# Altium PCB foot.PcbDoc (continued)
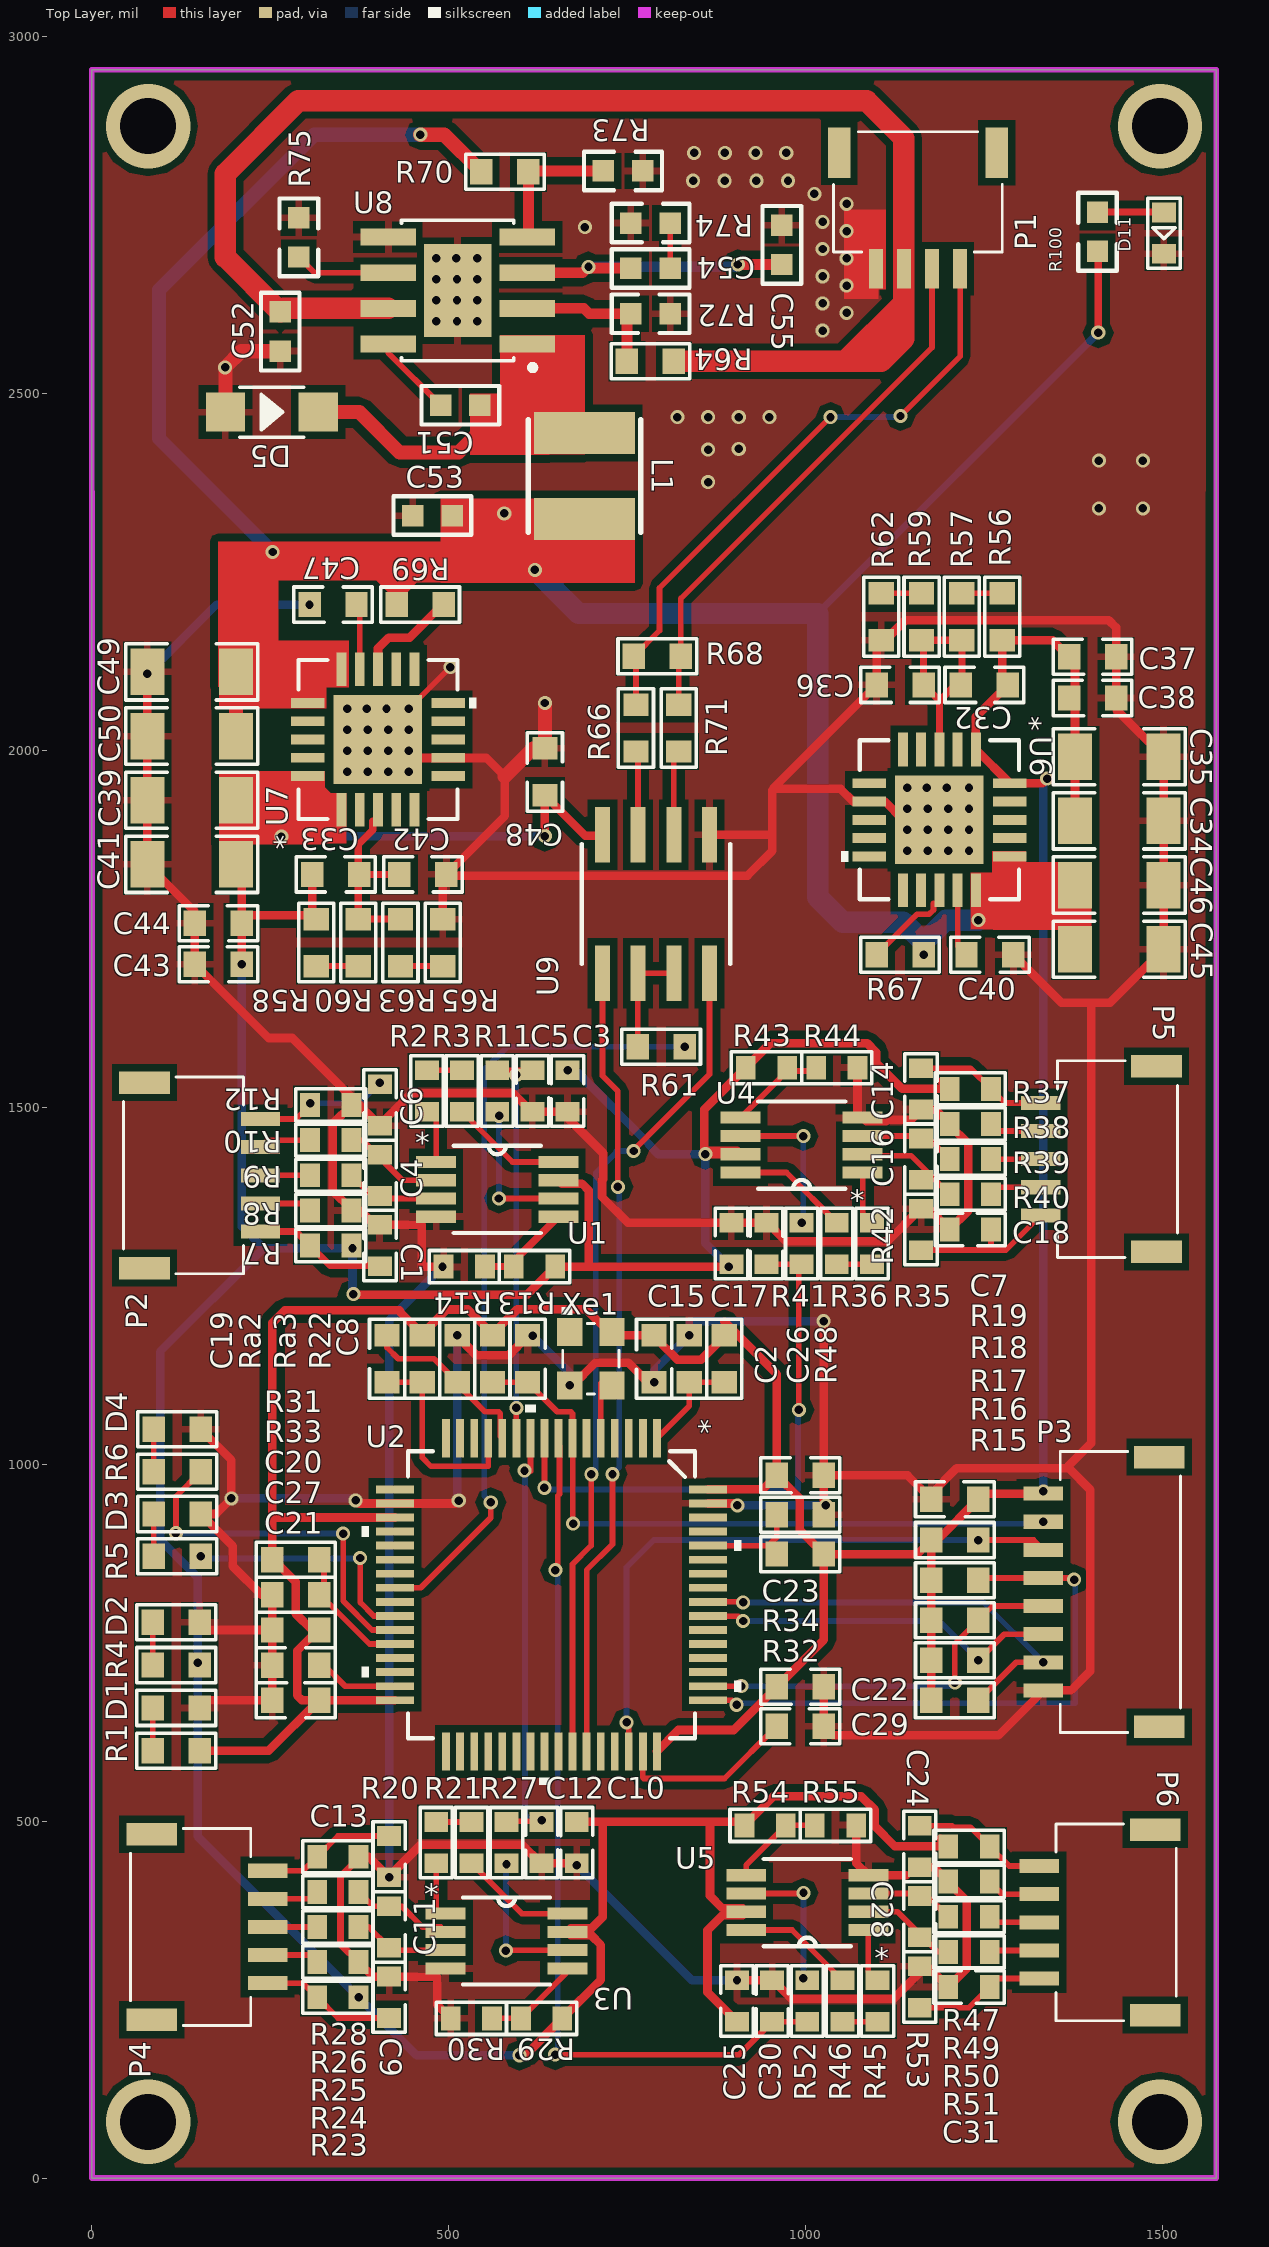
[diagram p0: Top Layer view]
## Footprints (in the part's own frame and the unit in brackets; to place one, negate y for a bottom-side part, rotate by r counter-clockwise, add the part's x,y. Pads: shape width x height; smd on the part's side, far side on the other; paste and mask are expansions set on the pad) (continued)
  silkscreen extent -3.5,-2.15 3.5,2.12, body extent -3.5,-3.09 3.5,2.13, height 3.02
SH_1.0MM_8P [mm]
  rect 0.8x1.8 smd: 0(-4.8,1.375) 0(4.8,1.375)
  rect 0.5x1.4 smd: 1(-3.5,-2.75) 2(-2.5,-2.75) 3(-1.5,-2.75) 4(-0.5,-2.75) 5(0.5,-2.75) 6(1.5,-2.75) 7(2.5,-2.75) 8(3.5,-2.75)
  silkscreen extent -5,-2.15 5,2.12, body extent -5,-3.1 5,2.12, height 3.02
SOIC127P600X170-9N [mm]
  rect 1.97x0.6 smd: 1(-2.475,1.905) 2(-2.475,0.635) 3(-2.475,-0.635) 4(-2.475,-1.905) 5(2.475,-1.905) 6(2.475,-0.635) 7(2.475,0.635) 8(2.475,1.905)
  rect 2.41x3.3 smd: 9(0,0)
  silkscreen extent -2.77,-2.5 2,2.84, body extent -3.1,-2.5 3.1,2.5, height 1.75
VQFN-20 [mm]
  rect 1.2x0.35 smd: 1(-2.5,1.3) 2(-2.5,0.65) 3(-2.5,0) 4(-2.5,-0.65) 5(-2.5,-1.3) 11(2.5,-1.3) 12(2.5,-0.65) 13(2.5,0) 14(2.5,0.65) 15(2.5,1.3)
  rect 0.35x1.2 smd: 6(-1.3,-2.5) 7(-0.65,-2.5) 8(0,-2.5) 9(0.65,-2.5) 10(1.3,-2.5) 16(1.3,2.5) 17(0.65,2.5) 18(0,2.5) 19(-0.65,2.5) 20(-1.3,2.5)
  rect 3.15x3.15 smd: 21(0,0)
  silkscreen extent -2.83,-3.5 2.83,2.83, body extent -2.52,-2.52 2.52,2.52, height 0.94
VSSOP-8 [mil]
  rect 56x17 smd: 1(-85.5,38.39) 2(-85.5,12.8) 3(-85.5,-12.8) 4(-85.5,-38.39) 5(85.5,-38.39) 6(85.5,-12.8) 7(85.5,12.8) 8(85.5,38.39)
  silkscreen extent -61,-61 61,61

## Part data
C1 C2 C3 C4 C5 C6 C7 C8 C9 C10 C11 C12 C13 C14 C15 C16 C17 C18 C19 C20 C21 C22 C23 C24 C25 C26 C27 C28 C29 C30 C31 C32 C33 C36 C37 C38 C40 C42 C43 C44 C47 C51 C52 C53 C54 C55: library part Cap0603
C34 C35 C39 C41 C45 C46 C49 C50: library part Cap1206
C48: "Capacitor"
D5: "MMSZ4702T1 Series 500 mW 10 mA 15 V SMT Zener Voltage Regulator - SOD-123"
L1: "Inductor Power Semi-Shielded Wirewound 15uH 20% 100KHz Ferrite 1A 264mOhm DCR 1515 T/R"
R1 R2 R3 R4 R5 R6 R7 R8 R9 R10 R11 R12 R13 R14 R15 R16 R17 R18 R19 R20 R21 R22 R23 R24 R25 R26 R27 R28 R29 R30 R31 R32 R33 R34 R35 R36 R37 R38 R39 R40 R41 R42 R43 R44 R45 R46 R47 R48 R49 R50 R51 R52 R53 R54 R55 R56 R57 R58 R59 R60 R62 R63 R64 R65 R67 R69 R70 R72 R73 R74 R75 R100 Ra2 Ra3: library part Res0603
R61 R66 R68 R71: "Resistor"
U1 U3 U4 U5: "Imported"
U2: library part STM32F407RGT
U6 U7: "TPS7A4701"
U8: "PARTCOUNT=2"
U9: "MAX3443E Series 7V 2.5 to 10 Mbps Half-Duplex SMT RS-485 Transceiver - SOIC-8"
Xe1: "有源晶振3225_8M"

## Via types
v1: diameter 19.68, hole 11.81, Top Layer to Bottom Layer, 159 vias
v2: diameter 118.11, hole 78.74, Top Layer to Bottom Layer, 4 vias

## Nets (pads, with @x,y where several pads share a name; then routed paths per layer and width w, separated by ;. In a path a pad name is that pad's centre, name@x,y a point inside that pad or via, vN(x,y) a via of type N, cw(c..) or ccw(c..) an arc to the next point about the centre after c; other vN are vias at no path point)
485: R61.2 U2.24 | length 1100
  Top Layer w8: U2.24 460.63,826.77 558.66,924.8 v1(558.66,946.46)
  Bottom Layer w8: v1(558.66,946.46) 549.61,955.51 549.61,1552.36 581.89,1584.65 v1(830.15,1584.65)
485A: P1.3 R68.1 R71.2 | length 757.2
  Top Layer w8: R71.2 822,2128.59 R68.1 824.91,2212.5 1176.5,2564.09 1176.5,2674.05 P1.3
485B: P1.4 R66.2 R68.2 | length 857.3
  Top Layer w8: R66.2 762,2128.6 R68.2 795,2167.41 795,2227 v1(1034.5,2466.5) ; v1(1132.5,2468) 1216.05,2551.56 P1.4
  Bottom Layer w8: v1(1034.5,2466.5) 1131,2466.5 v1(1132.5,2468)
+3.3V: C2.1 C7.1 C20.1 C21.1 C22.1 C23.1 C32.2 C34.1 C35.1 C37.1 C38.1 P3.1 R1.1 R15.2 R16.2 R17.2 R18.2 R19.2 R22.1 R31.2 R32.1 R48.2 R56.2 Ra2.1 U2.19 U2.32 U2.48 U2.64 U6.1 U6.20 Xe1.4 | length 4913.2
  Top Layer w12: R1.1 247.49,598.44 C21.1 ; 259.61,925.2 U2.19 ; U2.32 C21.1 ; 431.01,1213.78 462.6,1182.19 496.94,1216.54 526.68,1216.54 561.02,1182.19 595.86,1217.02 692.1,1217.02 724.09,1185.04 Xe1.4 732.84,1180.54 C2.1 787.4,1178.9 819.84,1146.46 853.39,1146.46 885.83,1178.9 R48.2 ; 431.01,1215.35 270.08,1215.35 252.53,1197.8 R31.2 254.17,866.14 285.44,834.88 285.44,790.55 308.27,767.72 316.69,767.72 287.4,738.42 287.4,675.98 294.09,669.29 C21.1 ; U2.48 821.3,627.64 898.87,627.64 C22.1 1025.03,753.8 R32.1 ; U2.64 939.53,964.57 C23.1 ; 885.83,1199.44 959.22,1126.05 C23.1 ; R15.2 R16.2 R17.2 R18.2 R19.2 ; v1(1332.68,961.81) P3.1 1249.44,958.66 C7.1 1184.4,893.62 R19.2 ; v1(1337.8,1960.24) 1331.12,1953.56 U6.20 U6.1 1238.19,2046.64 1274.93,2083.39 R56.2 1345.5,2153.93 C37.1 1376.97,2122.46 C35.1 C34.1 ; C23.1 991.57,951.9 991.57,907.48 R32.1 ; R32.1 1156.15,874.02 R19.2
  Bottom Layer w12: v1(1332.68,961.81) 1332.68,1955.12 v1(1337.8,1960.24)
+5V: C3.1 C10.1 C15.1 C25.1 C33.2 C39.1 C41.1 C43.1 C44.1 C48.2 R4.1 R7.1 R13.1 R23.1 R29.1 R37.1 R43.1 R47.1 R54.1 R58.2 U1.7 U3.7 U4.7 U5.7 U7.1 U7.20 U9.8 | length 6335.5
  Top Layer w8: U9.8@718.5,1875.98 U9.8@718.5,1879.92
  Top Layer w12: v1(210.08,1699.98) C44.1 210.08,1882.5 ; C44.1@221.17,1768.74 308.71,1768.74 C33.2 ; v1(265.5,1879) 213.58,1879 210.08,1882.5 ; U7.1 U7.20 235.69,1963.76 210.08,1938.15 210.08,1882.5 ; v1(366.14,1238.19) 366.93,1237.4 609.74,1237.4 R13.1 695.67,1276.57 ; v1(598.82,172.05) 607.16,172.05 R29.1 712.99,277.88 712.99,326.36 699.3,340.05 671,340.05 U3.7 671,349.63 699.3,349.63 715.35,365.68 715.35,498.81 ; v1(634.5,1879.5) C48.2 691.17,1879.92 U9.8@718.5,1879.92 ; U1.7 658.07,1392.85 686.38,1392.85 695.67,1383.55 695.67,1276.57 ; C10.1 715.35,498.81 ; v1(859.25,1434.06) U4.7 ; v1(892.16,1276.57) 695.67,1276.57 ; C25.1 862.2,260.4 862.2,347.02 883.4,368.22 U5.7@911.7,368.22 ; U4.7@903.8,1438.85 857.87,1438.85 857.87,1497.08 R43.1 950.17,1589.37 1085.93,1589.37 1098.35,1576.94 1098.35,1562.28 1135.04,1525.59 R37.1 R37.1@1190.45,1536.49 ; R54.1@909.23,498.81 865.75,498.81 ; R54.1 954.54,534.65 1077.66,534.65 1096.41,515.9 1096.41,492.96 1124.83,464.54 R47.1 R47.1@1188.5,475.44 ; U5.7 911.7,377.8 883.4,377.8 865.75,395.45 865.75,498.81 ; 715.35,498.81 865.75,498.81
  Bottom Layer w12: v1(210.08,1699.98) 210.08,1332.65 240.36,1302.36 ; v1(265.5,1879) 266,1879.5 v1(634.5,1879.5) ; v1(366.14,1238.19) 364.96,1239.37 v1(364.96,1302.36) 240.36,1302.36 ; v1(598.82,172.05) 454.71,172.05 v1(373.46,253.3) 148.03,478.73 v1(148.03,722.05) 148.03,841.52 95.57,893.98 95.57,1157.57 240.36,1302.36 ; v1(666.21,1551.61) 676.95,1551.61 780.8,1447.75 780.8,1446.57 793.32,1434.06 v1(859.25,1434.06) 859.25,1309.48 v1(892.16,1276.57)
ADIS_DIO1: U2.40
ADIS_DIO2: U2.39
ADIS_RST: U2.2
COMP: C54.2 C55.2 U8.3 | length 417.4
  Top Layer w15: U8.3 687.24,2668.74 693.73,2675.23 C54.2@752.34,2675.23 ; v1(904.74,2680.24) C55.2
  Bottom Layer w15: v1(695.5,2677) 901.5,2677 v1(904.74,2680.24)
DAC_OUT1: U2.20
FB: R70.2 R73.2 U8.4 | length 197.4
  Top Layer w15: U8.4 611.41,2720.36 R70.2 612.64,2811.23 R73.2
GND: C1.1 C2.2 C3.2 C5.1 C6.2 C7.2 C8.1 C9.1 C10.2 C12.1 C13.2 C14.1 C15.2 C17.1 C18.2 C20.2 C21.2 C22.2 C23.2 C24.1 C25.2 C26.2 C27.1 C29.1 C30.1 C31.2 C34.2 C35.2 C36.1 C37.2 C38.2 C39.2 C40.1 C41.2 C42.1 C43.2 C44.2 C45.2 C46.2 C47.1 C48.1 C49.2 C50.2 C52.1 C53.1 C55.1 D1.1 D2.1 D3.1 D4.1 D5.POS D11.1 P1.1 P3.8 R8.1 R12.2 R14.2 R24.1 R28.2 R30.2 R33.2 R34.1 R38.1 R42.2 R44.2 R49.1 R53.2 R55.2 R62.2 R65.2 R72.2 R73.1 R74.2 R75.2 Ra3.1 U1.4 U2.18 U2.63 U3.4 U4.4 U5.4 U6.7 U6.21 U7.7 U7.21 U8.5 U8.9 U9.5 Xe1.2 | length 12514.9
  Top Layer w8: U7.21 v1(502.05,2116.32)
  Top Layer w10: R24.1 348.38,327.59 348.38,422.35 373.46,447.43 R28.2 387.37,450.15
  Top Layer w12: v1(77.76,2107.09) C50.2 C39.2 C41.2 144.27,1773.48 C44.2 C43.2 247.39,1596.85 280.54,1596.85 C6.2 ; D4.1 195.32,1005.7 v1(195.32,952.02) 173.43,930.12 D3.1 197.24,885.24 197.24,857.09 R33.2@237.4,816.93 ; D1.1@161.82,669.29 C21.2 C20.2 ; D2.1@161.88,767.72 C20.2 ; R33.2 C20.2 ; R8.1 363.48,1356.62 337.4,1382.7 337.4,1476.87 R12.2 ; v1(369.29,949.21) 373.62,944.88 U2.18 509.84,944.88 v1(513.78,948.82) ; R24.1 393.7,282.27 C9.1 483.82,282.27 483.82,242.48 R30.2 ; R8.1@375.75,1355.31 400.91,1330.15 C1.1@407.44,1330.15 ; 387.37,450.15 v1(416.34,421.18) C13.2@423.76,421.18 ; C1.1 461.9,1335.07 461.9,1276.57 v1(491.01,1276.57) ; C6.2@403.41,1475.63 447.53,1519.75 589.61,1519.75 615.69,1493.67 C5.1 C3.2@657.8,1493.67 ; C13.2@416.34,422.83 460.46,466.95 602.54,466.95 628.61,440.87 C12.1 C10.2@670.72,440.87 ; U7.21@426.62,1989 552.5,1989 578.43,1963.07 578.43,1907.82 C42.1 ; R65.2 491.23,1820.62 C42.1 ; Ra3.1@511.81,1178.9 538.21,1152.5 583.83,1152.5 610.24,1178.9 C8.1 ; C3.2 C3.2@657.8,1493.67 ; Xe1.2@673.55,1110.24 705.54,1142.22 751.16,1142.22 778.65,1114.73 v1(787.4,1114.73) ; v1(679.13,438.34) C10.2 ; U2.63 902.55,944.88 903.94,943.5 v1(903.94,942.12) ; U9.5 952.65,1881.5 953.15,1882 ; v1(903.57,276.98) C30.1@954.09,276.98 ; C17.1 C17.1@946.19,1338.02 ; C30.1 C30.1@954.09,276.98 ; 954.72,1947.1 C36.1 1098.98,2141.69 1139.26,2181.97 1424.33,2181.97 1434.48,2171.82 C37.2 C38.2 1434.48,2057.26 C35.2 C34.2 C46.2 C45.2 1426.14,1646.31 1399.61,1646.31 ; v1(1024.8,1200.39) 1025.03,1200.16 C23.2 ; C29.1 C22.2 ; v1(1027.95,942.13) 1025.03,945.05 C23.2 ; C29.1@1037.83,620.08 1269.68,620.08 P3.8 1371.26,683.07 1398.43,710.24 1398.43,964.17 1368.11,994.49 ; R55.2 1070.33,441.35 U5.4 1140.67,424.19 ; R44.2 1072.28,1492.55 U4.4 1084.39,1480.44 1112.69,1480.44 1114.46,1482.21 1147.01,1482.21 C14.1 1181.1,1496.62 R38.1 1201.35,1475.07 1227.43,1448.99 1227.43,1354.82 C18.2 1172.38,1357.71 R42.2 R42.2@1160.11,1357.71 ; R53.2@1152.05,296.66 R53.2 1159.47,288.13 1122.24,250.9 980.17,250.9 C30.1@954.09,276.98 ; C24.1@1152.05,435.57 C24.1 1179.16,435.57 R49.1 1199.4,414.02 1225.48,387.94 1225.48,293.77 C31.2 R53.2@1164.95,302.14 ; R42.2@1154,1357.71 R42.2@1160.11,1357.71 ; U6.21 1136.49,1902.38 1110.9,1927.97 1066.27,1927.97 1048.6,1945.64 954.72,1945.64 953.15,1944.06 953.15,1882 ; C40.1 1357.87,1646.31 1399.61,1646.31 ; C42.1 498.22,1824.31 918.43,1824.31 953.15,1859.04 953.15,1882 ; C3.2@657.8,1493.67 716.14,1435.33 716.14,1399.03 714.47,1397.36 714.47,1374.29 750.74,1338.02 C15.2 C17.1@946.19,1338.02 ; C17.1@946.19,1338.02 972.27,1311.94 1114.35,1311.94 R42.2@1160.11,1357.71 ; C23.2 1142.29,984.25 C7.2 1175.76,958.83 1211.42,994.49 1368.11,994.49 ; 1368.11,994.49 1368.11,998.03 1399.61,1029.53 1399.61,1646.31
  Top Layer w20: D5.POS 187,2536 v1(186.5,2536) 209.24,2558.74 C52.1 ; 578.43,1963.07 617.76,2002.41 C48.1 v1(634.5,2066)
  Bottom Layer w12: v1(77.76,2107.09) 174.59,2203.92 v1(304.78,2203.92) ; v1(195.32,952.02) 366.49,952.02 v1(369.29,949.21) ; v1(416.34,421.18) 416.34,1201.9 v1(491.01,1276.57) ; v1@511.81,1178.15 511.81,950.79 v1(513.78,948.82) ; v1(617.32,1179.53) 669.29,1127.56 v1(669.29,1110.24) ; v1(679.13,438.34) 840.5,276.98 v1(903.57,276.98) ; v1@782.91,1110.24 v1(787.4,1114.73) 787.4,1131.33 v1(836.61,1180.54) 837.57,1181.5 837.57,1200.39 v1(1024.8,1200.39) ; v1(903.94,942.12) v1(1027.95,942.13)
  other v1: 511.81,1180.54 1142,1859 1170.83,1859 1199.67,1859 1228.5,1859 1142,1888.48 1170.83,1888.48 1199.67,1888.48 1228.5,1888.48 1142,1917.96 1170.83,1917.96 1199.67,1917.96 1228.5,1917.96 1142,1947.44 1169.56,1947.44 1197.12,1947.44 1228.5,1947.44 357.5,1969.5 386.33,1969.5 415.17,1969.5 444,1969.5 357.5,1998.98 386.33,1998.98 415.17,1998.98 444,1998.98 357.5,2028.46 386.33,2028.46 415.17,2028.46 444,2028.46 357.5,2057.94 385.06,2057.94 412.62,2057.94 444,2057.94 1410.5,2338.5 1472,2338.5 863,2375.5 1410.5,2405.5 1472,2405.5 863,2421 906,2422 820,2466.5 863,2466.5 906,2466.5 949,2466.5 1023.5,2587.5 482.5,2600.5 511.33,2600.5 539.5,2600.5 1057,2612.5 1023.5,2625.62 482.5,2629.98 511.33,2629.98 539.5,2629.98 1057,2650.62 482.5,2659.46 511.33,2659.46 539.5,2659.46 1023.5,2663.75 482.5,2688.94 510.06,2688.94 539.5,2688.94 1057,2688.75 1023.5,2701.88 1057,2726.88 690.5,2732.5 1023.5,2740 1057,2765 1012,2779 842,2797.5 886.33,2797.5 930.67,2797.5 975,2797.5 843.5,2836.5 886.5,2836.5 929.5,2836.5 972.5,2836.5
I2C1_SCL: U2.58
I2C1_SDA: U2.59
IN_5V: C45.1 C46.1 C49.1 C50.1 C53.2 L1.2 R67.2 R69.2 R70.1 R100.1 U6.15 U6.16 U7.15 U7.16 | length 3603.6
  Top Layer w10: R100.1 1409.5,2697.5 v1(1409.5,2584.7)
  Top Layer w20: C50.1 C49.1 ; 299.3,2073.6 299.3,2109.58 ; U7.15@345.71,2109.58 299.3,2109.58 ; R69.2@426.82,2203.64 426.82,2222.8 402.13,2247.5 249,2247.5 201.97,2200.47 201.97,2109.77 C49.1 ; R69.2@426.82,2220.32 451,2244.5 509.5,2244.5 ; v1(460,2862) 493.59,2862 R70.1 ; L1.2@685.46,2328.5 L1.2 690,2293.43 ; C45.1 C46.1 ; C49.1 299.3,2109.58
  Bottom Layer w10: 1016.14,2191.34 v1(1409.5,2584.7)
  Bottom Layer w20: v1(253,2277.5) 94,2436.5 94,2644.5 311.5,2862 v1(460,2862)
  Bottom Layer w30: v1(620.5,2252.5) 681.66,2191.34 1016.5,2191.34 1016.5,1794 1051.5,1759 1136.36,1759 1164.8,1730.56 1196.23,1762 v1(1241.5,1762)
  other v1: 1164.8,1713.41 577.5,2331.5
JNTRST: P3.7 R15.1 U2.56 | length 617.9
  Top Layer w8: U2.56 911.42,807.09 v1(912.2,806.3) ; R15.1 1294.64,722.44 v1(1332.68,722.44)
  Bottom Layer w8: v1(912.2,806.3) 1248.82,806.3 v1(1332.68,722.44)
JTCK: P3.4 R18.1 U2.49 | length 826.7
  Top Layer w8: U2.49 896.61,669.29 v1(902.91,662.99) ; R18.1@1244.56,840.55 P3.4 1373.23,840.55 v1(1375.59,838.19)
  Bottom Layer w8: v1(902.91,662.99) 904.88,664.96 1377.17,664.96 1377.17,839.76 v1(1375.59,838.19)
JTDI: P3.5 R17.1 U2.50 | length 548.2
  Top Layer w8: U2.50 v1(909.45,688.98) ; v1(1208.66,693.97) 1208.66,748.59 R17.1 1261.25,801.18 P3.5
  Bottom Layer w8: v1(909.45,688.98) 1203.66,688.98 v1(1208.66,693.97)
JTDO: P3.6 R16.1 U2.55 | length 510.5
  Top Layer w8: U2.55 863.34,787.01 905.51,787.01 v1(912.2,780.31) ; v1(1241.56,725.43) 1277.94,761.81 P3.6
  Bottom Layer w8: v1(912.2,780.31) 1186.68,780.31 v1(1241.56,725.43)
JTMS: P3.3 R19.1 U2.46 | length 872.9
  Top Layer w8: v1(748.82,638.19) 752.74,642.11 751.97,641.34 U2.46 ; v1(1241.56,893.62) 1318.98,893.62 P3.3
  Bottom Layer w8: v1(748.82,638.19) 748.82,855.51 786.92,893.62 v1(1241.56,893.62)
LED1_M: U2.41
MPU_INT: U2.25
NetC1_2: C1.2 P2.1 R7.2 | length 186.1
  Top Layer w10: P2.1 285.85,1325.79 R7.2 333.57,1278.07 C1.2@402.47,1278.07
NetC4_1: C4.1 R10.1 U1.2 | length 126.9
  Top Layer w8: 378.58,1453.74 434.67,1397.64 U1.2
NetC4_2: C4.2 R9.1 U1.3 | length 132.3
  Top Layer w8: R9.1 395.96,1372.05 U1.3
NetC6_1: C6.1 P2.5 R12.1 | length 190
  Top Layer w8: P2.5 285.86,1483.27 R12.1 v1(305.54,1505.48)
  Bottom Layer w8: v1(305.54,1505.48) 374.44,1505.48 v1(403.41,1534.45)
NetC9_2: C9.2 P4.1 R23.2 | length 190.4
  Top Layer w8: P4.1 295.83,272.99 R23.2 344.49,224.33 C9.2
NetC11_1: C11.1 R26.1 U3.2 | length 145
  Top Layer w8: R26.1 393.7,380.7 C11.1 433.88,380.7 462.94,351.63 488.42,351.63 U3.2
NetC11_2: C11.2 R25.1 U3.3 | length 121.3
  Top Layer w8: 387.37,351.73 C11.2 419.85,319.25 U3.3
NetC13_1: C13.1 P4.5 R28.1 | length 190.4
  Top Layer w8: P4.5 295.83,430.47 R28.1 344.49,479.12 C13.1
NetC14_2: C14.2 P5.1 R37.2 | length 187.5
  Top Layer w8: C14.2 1230.31,1554.56 R37.2 1278.97,1505.91 P5.1
NetC16_1: C16.1 R40.1 U4.2 | length 145
  Top Layer w8: U4.2 1081.59,1432.06 1147.24,1432.06 R40.1
NetC16_2: C16.2 R39.1 U4.3 | length 135.2
  Top Layer w8: U4.3 1168.87,1459.65 R39.1
NetC18_1: C18.1 P5.5 R42.1 | length 216.3
  Top Layer w8: R42.1 1280.09,1299.77 P5.5 ; 1259.28,1299.94 C18.1
NetC19_1: C19.1 Ra2.2 U2.13 | length 291.8
  Top Layer w8: C19.1 Ra2.2 462.6,1009.06 474.8,996.85 555.12,996.85 U2.13
NetC19_2: C19.2 Ra3.2 U2.12 | length 249
  Top Layer w8: C19.2 413.39,1163.38 429.13,1147.64 479.14,1147.64 511.81,1114.96 Ra3.2 ; Ra3.2@511.81,1112.2 550.79,1073.23 569.66,1073.23 571.92,1070.97 571.92,1039.06 U2.12
NetC24_2: C24.2 P6.1 R47.2 | length 190.7
  Top Layer w8: C24.2 1204.8,493.51 1206.74,491.57 1230.31,491.57 R47.2 1284.9,436.98 P6.1
NetC26_1: C26.1 R48.1 U2.1 | length 146.1
  Top Layer w8: U2.1 836.61,1081.45 836.61,1114.5 R48.1@885.6,1114.5
NetC27_2: C27.2 U2.31 | length 111.5
  Top Layer w8: C27.2@325.19,718.5 354.72,688.98 U2.31
NetC28_1: C28.1 R51.1 U5.2 | length 135.1
  Top Layer w8: U5.2 1128.2,373.01 1184.31,316.91 R51.1
NetC28_2: C28.2 R50.1 U5.3 | length 125.4
  Top Layer w8: U5.3 1166.92,398.6 R50.1
NetC29_2: C29.2 U2.47 | length 255.1
  Top Layer w8: U2.47 771.65,561.02 773.05,559.63 885.98,559.63 C29.2
NetC31_1: C31.1 P6.5 R53.1 | length 184.2
  Top Layer w8: R53.1 1228.37,238.72 C31.1 1269.15,279.5 P6.5
NetC32_1: C32.1 C36.2 R57.2 R59.2 U6.3 | length 317.7
  Top Layer w10: U6.3 1187.01,2069.15 ; 1187.01,2069.15 C36.2 1164.8,2151.2 R59.2 R57.2 1218.5,2100.64 1187.01,2069.15
NetC33_1: C33.1 C42.2 R60.2 R63.2 U7.3 | length 260.6
  Top Layer w10: C33.1 C42.2 ; 393.27,1900.36 393.27,1888.21 373.12,1868.05 R60.2 R63.2
NetC40_2: C40.2 U6.14 | length 95.7
  Top Layer w8: U6.14 1212.6,1725.78 C40.2
NetC47_2: C47.2 U7.14 | length 86.1
  Top Layer w8: U7.14 C47.2@375.09,2199.42
NetC51_1: C51.1 U8.8 | length 116.2
  Top Layer w8: U8.8 414.9,2556.6 C51.1
NetC54_1: C54.1 R74.1 | length 63.5
  Top Layer w8: C54.1 R74.1
NetD1_2: D1.2 R1.2 | length 60
  Top Layer w8: R1.2 D1.2
NetD2_2: D2.2 R4.2 | length 60
  Top Layer w8: R4.2 D2.2
NetD3_2: D3.2 R5.2 | length 59.3
  Top Layer w8: R5.2 D3.2
NetD4_2: D4.2 R6.2 | length 59.3
  Top Layer w8: R6.2 D4.2
NetD11_2: D11.2 R100.2 | length 93.2
  Top Layer w10: R100.2 1500.97,2753.5 D11.2
NetP2_2: P2.2 R8.2 | length 59.6
  Top Layer w8: P2.2 R8.2@295.7,1365.16
NetP2_3: P2.3 R9.2 | length 69.4
  Top Layer w8: P2.3 R9.2
NetP2_4: P2.4 R10.2 | length 59.6
  Top Layer w8: P2.4@245.93,1453.74 R10.2
NetP4_2: P4.2 R24.2 | length 59.6
  Top Layer w8: P4.2 R24.2@305.68,312.36
NetP4_3: P4.3 R25.2 | length 69.5
  Top Layer w8: P4.3 R25.2
NetP4_4: P4.4 R26.2 | length 59.6
  Top Layer w8: P4.4 R26.2@305.68,391.1
NetP5_2: P5.2 R38.2 | length 59.6
  Top Layer w8: R38.2@1269.13,1466.54 P5.2
NetP5_3: P5.3 R39.2 | length 69.5
  Top Layer w8: R39.2 P5.3
NetP5_4: P5.4 R40.2 | length 59.6
  Top Layer w8: R40.2@1269.13,1387.8 P5.4
NetP6_2: P6.2 R49.2 | length 76.8
  Top Layer w8: R49.2 1275.06,397.61 P6.2
NetP6_3: P6.3 R50.2 | length 61.6
  Top Layer w8: R50.2@1265.21,358.24 P6.3
NetP6_4: P6.4 R51.2 | length 67.5
  Top Layer w8: R51.2@1259.31,318.87 P6.4
NetR2_1: R2.1 U1.1 | length 57.5
  Top Layer w8: U1.1 R2.1@482.28,1480.74
NetR2_2: R2.2 R3.1 | length 49.2
  Top Layer w8: R2.2 R3.1
NetR3_2: R3.2 U1.8 | length 163.9
  Top Layer w8: R3.2 589.01,1423.23 U1.8
NetR11_1: R11.1 U1.6 | length 199.5
  Top Layer w8: v1(570.08,1372.04) U1.6
  Bottom Layer w8: v1@569.68,1372.04 v1(570.08,1372.04) 570.08,1487.4 v1(570.47,1487.8)
NetR13_2: R13.2 R14.1 U1.5 | length 136.2
  Top Layer w10: R14.1 R13.2 590.98,1284.15 U1.5
NetR20_1: R20.1 U3.1 | length 70.4
  Top Layer w8: U3.1@482.28,370.43 R20.1
NetR20_2: R20.2 R21.1 | length 49.2
  Top Layer w8: R20.2 R21.1
NetR21_2: R21.2 U3.8 | length 163.9
  Top Layer w8: R21.2 601.94,370.43 U3.8
NetR27_1: R27.1 U3.6 | length 207.7
  Top Layer w8: v1(579.92,318.5) 580.67,319.25 U3.6
  Bottom Layer w8: v1(579.92,318.5) 579.92,438.54 v1(580.71,439.33)
NetR29_2: R29.2 R30.1 U3.5 | length 132.8
  Top Layer w8: R30.1 R29.2 U3.5@666.21,289.03
NetR31_1: R31.1 R33.1 U2.28 | length 173.2
  Top Layer w8: R31.1@325.19,859.29 325.19,811.82 388.98,748.03 U2.28
NetR32_2: R32.2 R34.2 U2.60 | length 132.7
  Top Layer w8: U2.60 947.41,885.83 959.22,897.64 R34.2
NetR35_1: R35.1 U4.1 | length 75.8
  Top Layer w8: U4.1 1079.59,1350.95 R35.1
NetR35_2: R35.2 R36.1 | length 49.2
  Top Layer w8: R36.1 R35.2
NetR36_2: R36.2 U4.8 | length 163.9
  Top Layer w8: U4.8 972.87,1408.46 R36.2
NetR41_1: R41.1 U4.6 | length 210.3
  Top Layer w8: U4.6 996.26,1459.65 v1(996.46,1459.45)
  Bottom Layer w8: v1(994.09,1338.02) 996.46,1340.39 v1(996.46,1459.45)
NetR43_2: R43.2 R44.1 U4.5 | length 128.1
  Top Layer w8: U4.5 973.85,1550.49 R44.1@1009.71,1550.49
NetR45_1: R45.1 U5.1 | length 57.5
  Top Layer w8: R45.1@1087.49,289.9 U5.1
NetR45_2: R45.2 R46.1 | length 49.2
  Top Layer w8: R46.1 R45.2
NetR46_2: R46.2 U5.8 | length 163.9
  Top Layer w8: U5.8 980.76,347.42 R46.2
NetR52_1: R52.1 U5.6 | length 200.7
  Top Layer w8: U5.6 996.63,398.6 v1(996.63,399.43)
  Bottom Layer w8: v1(996.06,279.92) 996.63,280.49 v1(996.63,399.43)
NetR54_2: R54.2 R55.1 U5.5 | length 133.3
  Top Layer w8: U5.5 916.49,438.66 R54.2 R55.1
NetR56_1: R56.1 R57.1 | length 56.4
  Top Layer w8: R57.1 R56.1
NetR58_1: R58.1 R60.1 | length 59.1
  Top Layer w8: R58.1 R60.1
NetR59_1: R59.1 R62.1 | length 56.4
  Top Layer w8: R62.1 R59.1
NetR61_1: R61.1 U9.2 U9.3 | length 136.4
  Top Layer w8: R61.1 U9.2@764.34,1671.03 ; U9.2 U9.3
NetR63_1: R63.1 R65.1 | length 59.1
  Top Layer w8: R63.1 R65.1
NetR64_2: R64.2 R72.1 U8.2 | length 209.2
  Top Layer w15: U8.2 689,2618.74 696.57,2611.16 749.43,2611.16 R64.2
NetR66_1: R66.1 U9.7 | length 117.8
  Top Layer w8: R66.1 765,1995.09 U9.7
NetR67_1: R67.1 U6.13 | length 114.6
  Top Layer w8: R67.1 1155.61,1770.04 1172.57,1770.04 1178.61,1776.07 1178.61,1785.12
NetR69_1: R69.1 U7.13 | length 145.2
  Top Layer w12: U7.13 400.68,2142.68 415.5,2157.5 444.81,2157.5 R69.1@491.23,2203.92
NetR71_1: R71.1 U9.6 | length 119.5
  Top Layer w8: U9.6 815,1991.1 R71.1
NetR75_1: R75.1 U8.6 | length 134.2
  Top Layer w8: R75.1 311.84,2668.74 U8.6
OSC32_IN: U2.3
OSC32_OUT: U2.4
OSC_IN: U2.5 Xe1.3 | length 77.2
  Top Layer w8: U2.5 Xe1.3@712.6,1113.39
OSC_OUT: U2.6
OUT: C51.2 D5.NEG L1.1 U8.1 | length 298.3
  Top Layer w20: D5.NEG 374.5,2473.5 431,2417 513.5,2417 543.5,2447 C51.2
PA0: U2.14
PA1: U2.15
PB0: R5.1 U2.26 | length 355.5
  Top Layer w8: v1@374.8,867.72 v1(375.59,868.5) ; v1@375.98,867.72 375.98,806.3 394.88,787.4 U2.26
  Bottom Layer w8: v1(152.36,870.85) 155.49,867.72 380.71,867.72 381.5,868.5 v1(375.59,868.5)
PB1: R6.1 U2.27 | length 520.3
  Top Layer w8: v1(117.72,903.15) 117.72,954.74 R6.1 ; v1@351.97,904.33 v1(351.97,902.75) 351.97,808.27 392.52,767.72 U2.27
  Bottom Layer w8: v1(117.72,903.15) 118.11,902.75 v1(351.97,902.75)
RESET: C8.2 P3.2 R22.2 U2.7 | length 944.7
  Top Layer w8: R22.2 C8.2 651.74,1073.23 670.64,1073.23 673.23,1070.64 U2.7 673.5,1035.9 673.5,917.05 v1(674.02,916.54)
  Bottom Layer w8: v1(674.02,916.54) 1329.92,916.54 v1(1332.68,919.29)
SPI1_CS: U2.44
SPI1_CS1: U2.61
SPI1_CS2: U2.62
SPI1_CS3: U2.29
SPI1_CS4: U2.30
SPI1_MISO: U2.22
SPI1_MOSI: U2.23
SPI1_SCK: U2.21
SPI2_CS: U2.33
SPI2_MISO: U2.35
SPI2_MOSI: U2.36
SPI2_SCK: U2.34
SPI3_MISO: U2.52
SPI3_MOSI: U2.57
SPI3_SCK: U2.51
UART5_RX: U2.54
UART5_TX: U2.53
USART1_RX: U2.43 U9.1 | length 1138.6
  Top Layer w8: U2.43 692.91,851.57 729.13,887.8 v1(729.13,985.82) ; U9.1 715,1544 736.61,1522.39 v1(736.61,1388.19)
  Bottom Layer w8: v1(729.13,985.82) 738.58,995.28 738.58,1394.88 731.89,1388.19 v1(736.61,1388.19)
USART1_TX: U2.42 U9.4 | length 1186
  Top Layer w8: U2.42 673.23,859.84 699.21,885.83 699.21,985.43 v1(699.6,985.82) ; v1(758.66,1438.58) 757.48,1438.58 865,1546.11 U9.4
  Bottom Layer w8: v1(699.6,985.82) 705.51,991.73 705.51,1407.87 735.24,1437.6 734.25,1438.58 v1(758.66,1438.58)
USART2_RX: U2.17
USART2_TX: U2.16
USART6_RX: U2.38
USART6_TX: U2.37
VIN: C52.2 P1.2 R64.1 U8.7 | length 2201.5
  Top Layer w30: U8.7 268.84,2618.74 C52.2 187,2690.58 187,2807.5 289,2909.5 1085,2909.5 1137.31,2857.19 P1.2 1137.31,2626.81 ; R64.1 1055.23,2544.73 ; 1055.23,2544.73 1083.23,2544.73 ; 1055.23,2544.73 1137.31,2626.81 ; 1083.23,2544.73 1105.73,2544.73 1137.31,2576.31 1137.31,2598.81 ; 1083.23,2544.73 1137.31,2598.81 ; 1137.31,2598.81 1137.31,2626.81
VOUT1: C5.2 R11.2 U2.11 | length 551
  Top Layer w8: R11.2 600.69,1551.61 v1(594.36,1545.28) ; U2.11 v1(594.49,1078.74)
  Bottom Layer w8: v1(594.36,1545.28) 594.49,1545.15 v1(594.49,1078.74)
VOUT2: C12.2 R27.2 U2.10 | length 624.7
  Top Layer w8: R27.2 581.9,500 628.59,500 v1(629.92,501.34) ; v1(605.91,990.94) 613.39,990.94 614.17,990.16 U2.10
  Bottom Layer w8: v1(605.91,990.94) 613.39,990.94 606.69,984.25 606.69,508.82 615.51,500 616.85,501.34 v1(629.92,501.34)
VOUT3: C17.2 R41.2 U2.9 | length 798.7
  Top Layer w8: v1@633.86,972.44 v1(633.86,966.93) U2.9 ; C17.2 986.22,1280.09 990.16,1276.15 v1(990.16,1075.98)
  Bottom Layer w8: v1(633.86,966.93) 633.86,972.44 641.73,964.57 988.98,964.57 988.98,1074.8 v1(990.16,1075.98) v1@989.37,1076.77
VOUT4: C30.2 R52.2 U2.8 | length 1239.6
  Top Layer w8: v1(648.82,172.83) 906.57,172.83 C30.2 R52.2 ; v1(649.21,851.57) 652.36,854.72 652.36,955.53 655,958.17 655,1024.92 U2.8@652.36,1027.56
  Bottom Layer w8: v1(648.82,172.83) 652.36,176.38 652.36,854.72 v1(649.21,851.57)
pads on no net: P1.0 P2.0 P3.0 P4.0 P5.0 P6.0 U2.45 U6.2 U6.4 U6.5 U6.6 U6.8 U6.9 U6.10 U6.11 U6.12 U6.17 U6.18 U6.19 U7.2 U7.4 U7.5 U7.6 U7.8 U7.9 U7.10 U7.11 U7.12 U7.17 U7.18 U7.19 Xe1.1
copper on no net:
  other v2: 78.74,78.74 1496.06,78.74 78.74,2874.02 1496.06,2874.02

## Polygon pours and split planes (outlines as drawn)
GND on Bottom Layer "DGND" (solid, remove dead copper, pour order 6): 0,2952.76 1574.8,2952.76 1574.8,0 0,0 0,2952.76
GND on Top Layer "GND" (solid, remove dead copper, pour order 8): 0,2952.76 1574.8,2952.76 1574.8,0 0,0 0,2952.76

## Keep-outs
Keep-Out Layer:
  lines w7.87: 0,2362.2 0,2952.76 1574.8,2952.76 1574.8,2362.2
  lines w8: 0,2362.2 0,0 1574.8,0 1574.8,2362.2

## Other copper
Top Layer:
  rectangle net IN_5V: 176.5,2088.5 261,2292.5
  rectangle net IN_5V: 178.5,2088 360,2153.5
  rectangle net IN_5V: 178,2058 328.5,2094.5
  rectangle net +5V: 178,1868 326.5,1970.5
  rectangle net +5V: 284,1869.5 356.5,1940
  rectangle net IN_5V: 1262,1748 1400,1843.5
  rectangle net IN_5V: 1261,1823 1308,1858.5
  rectangle net IN_5V: 1230.5,1748.5 1286.5,1828.5
  rectangle net OUT: 571.5,2414 690.5,2581.5
  rectangle net OUT: 529.5,2413.5 641,2499.5
  rectangle net IN_5V: 488,2234 760.5,2352.5
  rectangle net IN_5V: 238.5,2238 503.5,2292.5
  rectangle net GND: 1053.5,2645.5 1112,2757.5
  rectangle net GND: 1053.5,2632.05 1102.01,2645.5

## Text inside footprints (layer, text, board x,y; h text height)
U1: Top Overlay "*" at 452.78,1434.84 h30
U2: Top Overlay "*" at 836.61,1062.99 h30 r270
U3: Top Overlay "*" at 465.71,382.04 h30
U4: Top Overlay "*" at 1082.68,1397.64 h30 r180
U5: Top Overlay "*" at 1116.99,335.8 h30 r180
U6: Top Overlay "*" at 1299.21,2047.24 h30 r270
U7: Top Overlay "*" at 285.43,1860.24 h30 r90